# Altium PCB PCB_Layout_1.PcbDoc (part 2 of 3)
Units mm, origin at the board's own origin, x right, y up, seen from the top; angles counter-clockwise.
Board outline 151 x 101.6 mm, 6 copper layers (Top Layer, Int1 (GND), Int2 (PWR), Int3 (PWR), Int4 (GND), Bottom Layer), stack 1.831 mm thick; 257 components, 234 nets, 854 pads, 2543 vias.
Unrouted connection lines stored in the file: 1.
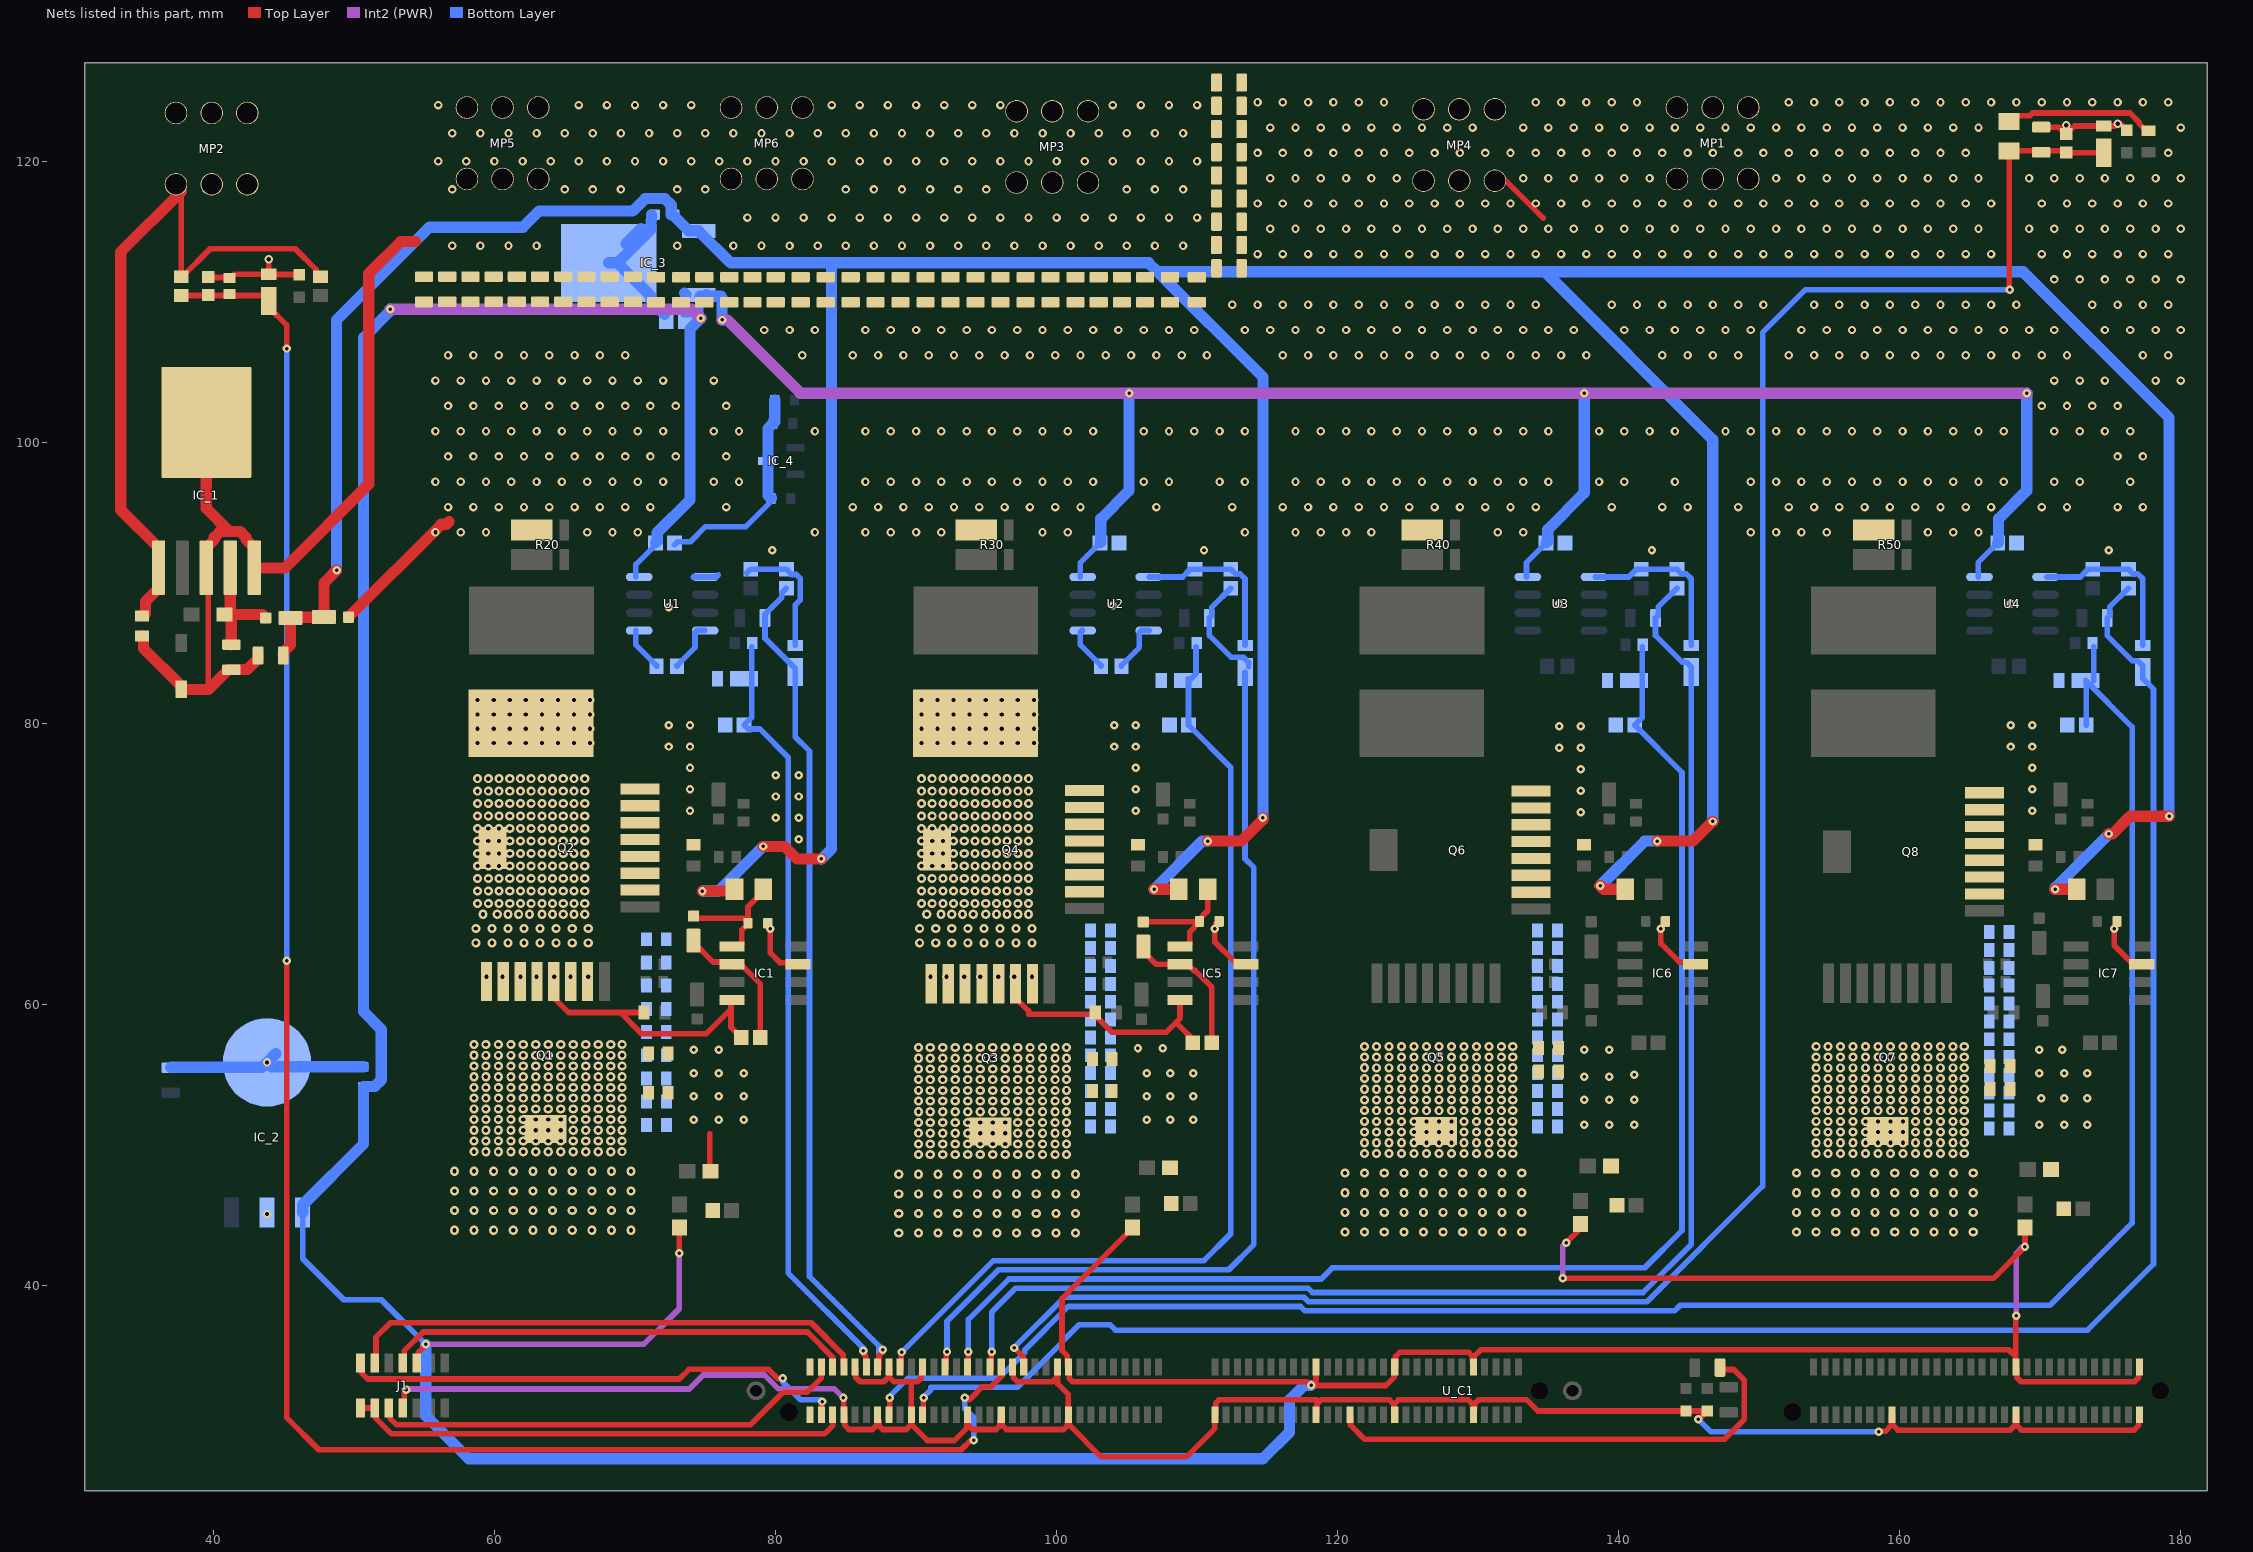
[diagram p6: the nets of this part, all layers, seen from the top]

## Via types
v1: diameter 0.65/0.65/0.65/0.65 (per signal layer), hole 0.3, Top Layer to Bottom Layer, 1060 vias
v2: diameter 0.6/0.6/0.6/0.6 (per signal layer), hole 0.3, Top Layer to Bottom Layer, 739 vias
v3: diameter 0.65, hole 0.3, Top Layer to Bottom Layer, 572 vias
v4: diameter 0.6/0.6/0.6/0.6 (per signal layer), hole 0.25, Top Layer to Bottom Layer, 142 vias
v5: diameter 0.6, hole 0.25, Top Layer to Bottom Layer, 23 vias
v6: diameter 0.6, hole 0.3, Top Layer to Bottom Layer, 7 vias

## Nets (pads, with @x,y where several pads share a name; then routed paths per layer and width w, separated by ;. In a path a pad name is that pad's centre, name@x,y a point inside that pad or via, vN(x,y) a via of type N, cw(c..) or ccw(c..) an arc to the next point about the centre after c; other vN are vias at no path point) (continued)
5V: C30.1 C40.1 C47.1 C53.1 C60.1 C67.1 IC_2.1 IC_3.3 J1.9 R10.1 R11.1 R12.1 R48.1 U1.4 U2.4 U3.4 U4.4 U_C1.48 U_C1.84 U_C1.98 U_C1.112 U_C1.158 U_C1.180 | length 515.6
  Top Layer w0.4: J1.9@54.467,34.494 54.572,34.599 54.572,35.231 55.118,35.777 v4(55.118,35.814) ; v4(73.152,42.291) R10.1@73.152,44.143 ; R11.1@105.41,44.143 105.41,44.106 100.384,39.08 100.384,35.383 100.501,35.266 100.767,35 100.767,34.308 U_C1.48@100.863,34.212 100.913,34.162 100.913,33.381 101.147,33.147 117.802,33.147 118.018,32.931 118.148,32.931 v5@118.175,32.958 ; v5@118.208,32.991 118.307,32.893 123.436,32.893 124.013,33.47 124.013,34.162 U_C1.98@124.063,34.212 124.113,34.262 124.113,34.954 124.425,35.266 129.301,35.266 129.567,35 129.567,34.658 129.663,34.562 U_C1.112@129.663,34.212 129.713,34.262 129.713,34.954 130.192,35.433 167.756,35.433 168.264,34.925 ; v5@118.307,33.09 118.463,33.246 U_C1.84@118.463,34.212 ; v4(136.017,40.513) 166.662,40.513 v4(168.91,42.761) R48.1@168.91,44.143 ; v4(136.271,43.053) 137.287,44.069 R12.1@137.287,44.397 ; v5(168.275,37.846) 168.275,37.719 168.264,37.708 168.264,34.925 ; U_C1.180@177.065,34.216 177.015,34.166 177.015,33.474 176.688,33.147 168.641,33.147 168.314,33.474 168.314,34.166 U_C1.158@168.264,34.216 168.264,34.925
  Int2 (PWR) w0.4: v4(55.118,35.814) 70.612,35.814 73.152,38.354 v4(73.152,42.291) ; v4(136.017,40.513) 136.017,42.799 v4(136.271,43.053) ; v5(168.275,37.846) 168.275,42.291 168.745,42.761 v4(168.91,42.761)
  Int2 (PWR) w0.8: v4(52.578,109.474) 74.041,109.474 v4(74.676,108.839) ; v4(76.2,108.712) 76.581,108.712 81.788,103.505 v4(105.156,103.505) v4(137.541,103.505) v4(169.037,103.505)
  Bottom Layer w0.4: IC_2.1@46.355,45.205 46.355,41.91 49.276,38.989 51.943,38.989 v4(55.118,35.814) ; U1.4@70.067,90.424 70.067,91.316 C40.1@71.461,92.71 ; C47.1@73.446,109.093 74.368,109.093 74.622,108.839 v4(74.676,108.839) IC_3.3@74.676,110.351 ; IC_3.3@73.515,110.623 IC_3.3@73.66,110.478 ; U2.4@101.69,90.424 101.69,91.443 C53.1@103.084,92.837 ; U3.4@133.44,90.424 133.44,91.443 C60.1@134.834,92.837 ; U4.4@165.571,90.424 165.571,91.443 C67.1@166.965,92.837
  Bottom Layer w0.8: IC_2.1@46.355,45.205 46.355,45.75 50.673,50.068 C30.1@50.673,54.164 51.474,54.164 51.943,54.633 51.943,58.229 50.673,59.499 50.673,107.442 52.578,109.347 v4(52.578,109.474) ; v4(55.118,35.814) 55.118,30.734 58.166,27.686 114.681,27.686 116.553,29.558 ; C40.1@71.461,92.837 71.586,92.962 71.586,93.587 73.914,95.915 73.914,108.077 v4(74.676,108.839) ; IC_3.3@73.515,110.623 IC_3.3@73.615,110.523 ; IC_3.3@74.631,110.396 76.112,110.396 IC_3.3@75.096,110.396 ; IC_3.3@75.096,110.523 IC_3.3@75.184,110.435 ; v4(76.2,108.712) 76.2,110.308 ; C53.1@103.084,92.837 103.15,92.903 103.15,94.562 105.156,96.568 v4(105.156,103.505) ; 116.577,29.559 116.577,31.868 117.602,32.893 v5(118.11,32.893) ; C60.1@134.834,92.837 134.959,92.962 134.959,93.811 137.541,96.393 v4(137.541,103.505) ; C67.1@166.965,92.837 167.031,92.903 167.031,94.562 169.037,96.568 v4(169.037,103.505)
12V: C15.1 C16.1 C17.1 C18.1 C19.1 C20.1 C21.1 C22.1 C23.1 C24.1 C25.1 C26.1 C82.1 C83.1 C84.1 C85.1 C86.1 C87.1 C88.1 C89.1 C90.1 C91.1 C92.1 C93.1 C108.1 C109.1 C110.1 C111.1 C112.1 C113.1 C114.1 C115.1 C116.1 C117.1 C118.1 C119.1 C138.1 C139.1 C140.1 C141.1 C142.1 C145.1 D1.2 MP1.1 MP4.1 R1.1 R5.1 R20.4 R30.4 R40.4 R50.4 | length 24.9
  Top Layer w0.4: MP4.1@131.572,118.745 131.846,118.745 134.62,115.971 ; R1.1@167.778,122.842 168.178,123.242 169.251,123.242 169.445,123.436 176.377,123.436 177.03,122.783 177.03,122.69 177.558,122.161 R5.1@177.684,122.161
  Top Layer w0.8: D1.2@49.614,87.566 56.218,94.17 56.578,94.17 56.769,94.361
  other v2: 55.8,93.6 57.6,93.6 59.4,93.6 66.6,93.6 68.4,93.6 70.2,93.6 82.8,93.6 86.4,93.6 88.2,93.6 90,93.6 91.8,93.6 99,93.6 100.8,93.6 113.4,93.6 117,93.6 118.8,93.6 120.6,93.6 122.4,93.6 131.4,93.6 133.2,93.6 149.4,93.6 151.2,93.6 153,93.6 154.8,93.6 162,93.6 163.8,93.6 165.6,93.6 56.7,95.4 58.5,95.4 60.3,95.4 62.1,95.4 63.9,95.4 65.7,95.4 67.5,95.4 69.3,95.4 71.1,95.4 76.5,95.4 85.5,95.4 87.3,95.4 89.1,95.4 90.9,95.4 92.7,95.4 94.5,95.4 96.3,95.4 98.1,95.4 99.9,95.4 101.7,95.4 107.1,95.4 112.5,95.4 116.1,95.4 117.9,95.4 119.7,95.4 121.5,95.4 123.3,95.4 125.1,95.4 126.9,95.4 128.7,95.4 130.5,95.4 132.3,95.4 134.1,95.4 139.5,95.4 143.1,95.4 144.9,95.4 148.5,95.4 152.1,95.4 153.9,95.4 155.7,95.4 157.5,95.4 159.3,95.4 161.1,95.4 162.9,95.4 164.7,95.4 166.5,95.4 170.1,95.4 171.9,95.4 175.5,95.4 177.3,95.4 55.8,97.2 57.6,97.2 59.4,97.2 61.2,97.2 63,97.2 64.8,97.2 66.6,97.2 68.4,97.2 70.2,97.2 72,97.2 75.6,97.2 77.4,97.2 86.4,97.2 88.2,97.2 90,97.2 91.8,97.2 93.6,97.2 95.4,97.2 97.2,97.2 99,97.2 100.8,97.2 102.6,97.2 106.2,97.2 108,97.2 111.6,97.2 113.4,97.2 117,97.2 118.8,97.2 120.6,97.2 122.4,97.2 124.2,97.2 126,97.2 127.8,97.2 129.6,97.2 131.4,97.2 133.2,97.2 135,97.2 138.6,97.2 140.4,97.2 144,97.2 149.4,97.2 151.2,97.2 153,97.2 154.8,97.2 156.6,97.2 158.4,97.2 160.2,97.2 162,97.2 163.8,97.2 165.6,97.2 167.4,97.2 171,97.2 172.8,97.2 176.4,97.2 56.7,99 58.5,99 60.3,99 62.1,99 63.9,99 65.7,99 67.5,99 69.3,99 71.1,99 72.9,99 76.5,99 175.5,99 177.3,99 55.8,100.8 57.6,100.8 59.4,100.8 61.2,100.8 63,100.8 64.8,100.8 66.6,100.8 68.4,100.8 70.2,100.8 72,100.8 75.6,100.8 77.4,100.8 82.8,100.8 86.4,100.8 88.2,100.8 90,100.8 91.8,100.8 93.6,100.8 95.4,100.8 97.2,100.8 99,100.8 100.8,100.8 102.6,100.8 106.2,100.8 108,100.8 109.8,100.8 111.6,100.8 113.4,100.8 117,100.8 118.8,100.8 120.6,100.8 122.4,100.8 124.2,100.8 126,100.8 127.8,100.8 129.6,100.8 131.4,100.8 133.2,100.8 135,100.8 138.6,100.8 140.4,100.8 142.2,100.8 144,100.8 147.6,100.8 149.4,100.8 151.2,100.8 153,100.8 154.8,100.8 156.6,100.8 158.4,100.8 160.2,100.8 162,100.8 163.8,100.8 165.6,100.8 167.4,100.8 171,100.8 172.8,100.8 174.6,100.8 176.4,100.8 56.7,102.6 58.5,102.6 60.3,102.6 62.1,102.6 63.9,102.6 65.7,102.6 67.5,102.6 69.3,102.6 71.1,102.6 72.9,102.6 76.5,102.6 170.1,102.6 171.9,102.6 173.7,102.6 175.5,102.6 55.8,104.4 57.6,104.4 59.4,104.4 61.2,104.4 63,104.4 64.8,104.4 66.6,104.4 68.4,104.4 70.2,104.4 72,104.4 75.6,104.4 171,104.4 172.8,104.4 174.6,104.4 178.2,104.4 180,104.4 56.7,106.2 58.5,106.2 60.3,106.2 62.1,106.2 63.9,106.2 65.7,106.2 67.5,106.2 69.3,106.2 81.9,106.2 85.5,106.2 87.3,106.2 89.1,106.2 90.9,106.2 92.7,106.2 94.5,106.2 96.3,106.2 98.1,106.2 99.9,106.2 101.7,106.2 103.5,106.2 105.3,106.2 107.1,106.2 108.9,106.2 110.7,106.2 116.1,106.2 117.9,106.2 119.7,106.2 121.5,106.2 123.3,106.2 125.1,106.2 126.9,106.2 128.7,106.2 130.5,106.2 132.3,106.2 134.1,106.2 135.9,106.2 137.7,106.2 143.1,106.2 144.9,106.2 146.7,106.2 148.5,106.2 152.1,106.2 153.9,106.2 155.7,106.2 157.5,106.2 159.3,106.2 161.1,106.2 162.9,106.2 164.7,106.2 166.5,106.2 168.3,106.2 170.1,106.2 171.9,106.2 177.3,106.2 179.1,106.2 79.2,108 81,108 82.8,108 86.4,108 88.2,108 90,108 91.8,108 93.6,108 95.4,108 97.2,108 99,108 100.8,108 102.6,108 104.4,108 106.2,108 108,108 109.8,108 113.4,108 115.2,108 117,108 118.8,108 120.6,108 122.4,108 124.2,108 126,108 127.8,108 129.6,108 131.4,108 133.2,108 135,108 136.8,108 140.4,108 142.2,108 144,108 145.8,108 147.6,108 149.4,108 153,108 154.8,108 156.6,108 158.4,108 160.2,108 162,108 163.8,108 165.6,108 167.4,108 169.2,108 171,108 174.6,108 176.4,108 178.2,108 180,108 112.5,109.8 114.3,109.8 116.1,109.8 117.9,109.8 119.7,109.8 121.5,109.8 123.3,109.8 125.1,109.8 126.9,109.8 128.7,109.8 130.5,109.8 132.3,109.8 134.1,109.8 139.5,109.8 141.3,109.8 143.1,109.8 144.9,109.8 146.7,109.8 148.5,109.8 150.3,109.8 153.9,109.8 155.7,109.8 157.5,109.8 159.3,109.8 161.1,109.8 162.9,109.8 164.7,109.8 166.5,109.8 168.3,109.8 173.7,109.8 175.5,109.8 177.3,109.8 179.1,109.8 171,111.6 172.8,111.6 174.6,111.6 176.4,111.6 178.2,111.6 180,111.6 114.3,113.4 116.1,113.4 117.9,113.4 119.7,113.4 121.5,113.4 123.3,113.4 125.1,113.4 126.9,113.4 128.7,113.4 130.5,113.4 132.3,113.4 134.1,113.4 135.9,113.4 137.7,113.4 139.5,113.4 141.3,113.4 143.1,113.4 144.9,113.4 146.7,113.4 148.5,113.4 150.3,113.4 152.1,113.4 153.9,113.4 155.7,113.4 157.5,113.4 159.3,113.4 161.1,113.4 162.9,113.4 164.7,113.4 166.5,113.4 170.1,113.4 171.9,113.4 173.7,113.4 175.5,113.4 177.3,113.4 179.1,113.4 115.2,115.2 117,115.2 118.8,115.2 120.6,115.2 122.4,115.2 124.2,115.2 126,115.2 127.8,115.2 129.6,115.2 131.4,115.2 133.2,115.2 135,115.2 136.8,115.2 138.6,115.2 140.4,115.2 142.2,115.2 144,115.2 145.8,115.2 147.6,115.2 149.4,115.2 151.2,115.2 153,115.2 154.8,115.2 156.6,115.2 158.4,115.2 160.2,115.2 162,115.2 163.8,115.2 165.6,115.2 169.2,115.2 171,115.2 172.8,115.2 174.6,115.2 176.4,115.2 178.2,115.2 180,115.2 114.3,117 116.1,117 117.9,117 119.7,117 121.5,117 123.3,117 125.1,117 126.9,117 128.7,117 130.5,117 132.3,117 134.1,117 135.9,117 137.7,117 139.5,117 141.3,117 143.1,117 144.9,117 146.7,117 148.5,117 150.3,117 152.1,117 153.9,117 155.7,117 157.5,117 159.3,117 161.1,117 162.9,117 164.7,117 166.5,117 170.1,117 171.9,117 173.7,117 175.5,117 177.3,117 179.1,117 115.2,118.8 117,118.8 118.8,118.8 120.6,118.8 122.4,118.8 124.2,118.8 133.2,118.8 135,118.8 136.8,118.8 138.6,118.8 140.4,118.8 142.2,118.8 151.2,118.8 153,118.8 154.8,118.8 156.6,118.8 158.4,118.8 160.2,118.8 162,118.8 163.8,118.8 165.6,118.8 169.2,118.8 171,118.8 172.8,118.8 174.6,118.8 176.4,118.8 178.2,118.8 180,118.8 114.3,120.6 116.1,120.6 117.9,120.6 119.7,120.6 121.5,120.6 123.3,120.6 125.1,120.6 126.9,120.6 128.7,120.6 130.5,120.6 132.3,120.6 134.1,120.6 135.9,120.6 137.7,120.6 139.5,120.6 141.3,120.6 143.1,120.6 144.9,120.6 146.7,120.6 148.5,120.6 150.3,120.6 152.1,120.6 153.9,120.6 155.7,120.6 157.5,120.6 159.3,120.6 161.1,120.6 162.9,120.6 164.7,120.6 179.1,120.6 115.2,122.4 117,122.4 118.8,122.4 120.6,122.4 122.4,122.4 124.2,122.4 126,122.4 127.8,122.4 129.6,122.4 133.2,122.4 135,122.4 136.8,122.4 138.6,122.4 140.4,122.4 142.2,122.4 144,122.4 145.8,122.4 147.6,122.4 149.4,122.4 151.2,122.4 153,122.4 154.8,122.4 156.6,122.4 158.4,122.4 160.2,122.4 162,122.4 163.8,122.4 165.6,122.4 180,122.4 114.3,124.2 116.1,124.2 117.9,124.2 119.7,124.2 121.5,124.2 123.3,124.2 134.1,124.2 135.9,124.2 137.7,124.2 139.5,124.2 141.3,124.2 152.1,124.2 153.9,124.2 155.7,124.2 157.5,124.2 159.3,124.2 161.1,124.2 162.9,124.2 164.7,124.2 166.5,124.2 168.3,124.2 170.1,124.2 171.9,124.2 173.7,124.2 175.5,124.2 177.3,124.2 179.1,124.2
12V_D: C34.1 C43.1 D1.1 D2.1 IC_3.1 R19.1 R29.1 R39.1 R49.1 | length 372.3
  Top Layer w0.8: C43.1@44.969,84.836 44.989,84.856 44.989,85.086 44.992,85.086 45.481,85.575 D2.1@45.481,87.503 ; D2.1@45.731,87.566 D1.1@47.864,87.566 47.864,90 v4(48.768,90.904) ; v4(74.803,68.072) 76.953,68.072 R19.1@77.08,68.199 ; v4(79.121,71.247) 80.645,71.247 81.534,70.358 v4(83.269,70.358) ; v4(106.934,68.199) R29.1@108.703,68.199 ; v4(110.744,71.628) 113.157,71.628 114.681,73.152 v4(114.681,73.279) ; v4(138.684,68.453) 138.938,68.199 R39.1@140.453,68.199 ; v4(142.748,71.628) 145.288,71.628 v4(146.685,73.025) ; v4(171.069,68.199) R49.1@172.584,68.199 ; v4(174.879,72.136) 175.133,72.136 176.403,73.406 v4(179.162,73.406)
  Bottom Layer w0.8: v4(48.768,90.904) 48.768,108.712 55.372,115.316 62.04,115.316 63.183,116.459 69.849,116.459 70.738,117.348 72.113,117.348 72.582,116.879 72.582,116.205 72.682,116.205 73.831,115.056 IC_3.1@74.531,115.056 76.811,112.776 84.074,112.776 ; v4(74.803,68.072) 75.946,68.072 v4(79.121,71.247) ; v4(83.269,70.358) 83.985,71.074 83.985,112.687 84.074,112.776 ; v4(106.934,68.199) 110.363,71.628 v4(110.744,71.628) ; v4(114.681,73.279) 114.681,104.648 107.188,112.141 ; v4(138.684,68.453) 141.859,71.628 v4(142.748,71.628) ; v4(146.685,73.025) 146.685,100.203 134.747,112.141 ; v4(171.069,68.199) 171.069,68.326 v4(174.879,72.136) ; v4(179.162,73.406) 179.162,101.762 168.783,112.141 134.747,112.141 ; 84.074,112.776 106.553,112.776 107.188,112.141 ; 107.188,112.141 134.747,112.141
48V: C1.1 C2.1 C3.1 C4.1 C5.1 C6.1 C9.1 C10.1 C11.1 C12.1 C13.1 C14.1 C44.1 C69.1 C70.1 C71.1 C72.1 C73.1 C74.1 C75.1 C76.1 C77.1 C78.1 C79.1 C80.1 C81.1 C94.1 C95.1 C96.1 C97.1 C98.1 C99.1 C100.1 C101.1 C102.1 C103.1 C104.1 C105.1 C106.1 C107.1 C120.1 C121.1 C122.1 C123.1 C124.1 C125.1 C126.1 C127.1 C128.1 C129.1 C130.1 C131.1 C132.1 C133.1 IC_1.1 MP2.1 Q1.9 Q3.9 Q5.9 Q7.9 R3.2 R6.1 | length 51.4
  Top Layer w0.4: MP2.1@37.719,117.856 R3.2@37.719,111.8 37.794,111.8 39.778,113.784 45.828,113.784 47.3,112.312 47.3,112.05 47.55,111.8 R6.1@47.625,111.8
  Top Layer w0.8: C44.1@34.925,87.681 35.075,87.681 35.175,87.781 35.175,88.687 36.097,89.609 36.097,92.509 33.401,95.205 33.401,113.538 MP2.1@37.719,117.856
  other v1: 88.773,43.735 90.17,43.735 91.567,43.735 92.964,43.735 94.361,43.735 95.758,43.735 97.155,43.735 98.552,43.735 99.949,43.735 101.346,43.735 120.523,43.815 121.92,43.815 123.317,43.815 124.714,43.815 126.111,43.815 127.508,43.815 128.905,43.815 130.302,43.815 131.699,43.815 133.096,43.815 152.654,43.815 154.051,43.815 155.448,43.815 156.845,43.815 158.242,43.815 159.639,43.815 161.036,43.815 162.433,43.815 163.83,43.815 165.227,43.815 57.15,43.942 58.547,43.942 59.944,43.942 61.341,43.942 62.738,43.942 64.135,43.942 65.532,43.942 66.929,43.942 68.326,43.942 69.723,43.942 88.773,45.132 90.17,45.132 91.567,45.132 92.964,45.132 94.361,45.132 95.758,45.132 97.155,45.132 98.552,45.132 99.949,45.132 101.346,45.132 120.523,45.212 121.92,45.212 123.317,45.212 124.714,45.212 126.111,45.212 127.508,45.212 128.905,45.212 130.302,45.212 131.699,45.212 133.096,45.212 152.654,45.212 154.051,45.212 155.448,45.212 156.845,45.212 158.242,45.212 159.639,45.212 161.036,45.212 162.433,45.212 163.83,45.212 165.227,45.212 57.15,45.339 58.547,45.339 59.944,45.339 61.341,45.339 62.738,45.339 64.135,45.339 65.532,45.339 66.929,45.339 68.326,45.339 69.723,45.339 88.773,46.529 90.17,46.529 91.567,46.529 92.964,46.529 94.361,46.529 95.758,46.529 97.155,46.529 98.552,46.529 99.949,46.529 101.346,46.529 120.523,46.609 121.92,46.609 123.317,46.609 124.714,46.609 126.111,46.609 127.508,46.609 128.905,46.609 130.302,46.609 131.699,46.609 133.096,46.609 152.654,46.609 154.051,46.609 155.448,46.609 156.845,46.609 158.242,46.609 159.639,46.609 161.036,46.609 162.433,46.609 163.83,46.609 165.227,46.609 57.15,46.736 58.547,46.736 59.944,46.736 61.341,46.736 62.738,46.736 64.135,46.736 65.532,46.736 66.929,46.736 68.326,46.736 69.723,46.736 88.773,47.926 90.17,47.926 91.567,47.926 92.964,47.926 94.361,47.926 95.758,47.926 97.155,47.926 98.552,47.926 99.949,47.926 101.346,47.926 120.523,48.006 121.92,48.006 123.317,48.006 124.714,48.006 126.111,48.006 127.508,48.006 128.905,48.006 130.302,48.006 131.699,48.006 133.096,48.006 152.654,48.006 154.051,48.006 155.448,48.006 156.845,48.006 158.242,48.006 159.639,48.006 161.036,48.006 162.433,48.006 163.83,48.006 165.227,48.006 57.15,48.133 58.547,48.133 59.944,48.133 61.341,48.133 62.738,48.133 64.135,48.133 65.532,48.133 66.929,48.133 68.326,48.133 69.723,48.133
  other v3: 90.17,49.323 91.009,49.32 91.898,49.32 92.787,49.32 93.676,49.32 94.565,49.32 95.454,49.32 96.343,49.32 97.232,49.32 98.121,49.32 99.01,49.32 99.899,49.32 100.711,49.323 121.92,49.403 122.759,49.4 123.648,49.4 124.537,49.4 125.426,49.4 126.315,49.4 127.204,49.4 128.093,49.4 128.982,49.4 129.871,49.4 130.76,49.4 131.649,49.4 132.461,49.403 154.051,49.403 154.89,49.4 155.779,49.4 156.668,49.4 157.557,49.4 158.446,49.4 159.335,49.4 160.224,49.4 161.113,49.4 162.002,49.4 162.891,49.4 163.78,49.4 164.592,49.403 58.547,49.53 59.386,49.527 60.275,49.527 61.164,49.527 62.053,49.527 62.942,49.527 63.831,49.527 64.72,49.527 65.609,49.527 66.498,49.527 67.387,49.527 68.276,49.527 69.088,49.53 90.17,50.085 91.009,50.082 91.898,50.082 92.787,50.082 93.676,50.082 94.565,50.082 95.454,50.082 96.343,50.082 97.232,50.082 98.121,50.082 99.01,50.082 99.899,50.082 100.711,50.085 121.92,50.165 122.759,50.162 123.648,50.162 124.537,50.162 125.426,50.162 126.315,50.162 127.204,50.162 128.093,50.162 128.982,50.162 129.871,50.162 130.76,50.162 131.649,50.162 132.461,50.165 154.051,50.165 154.89,50.162 155.779,50.162 156.668,50.162 157.557,50.162 158.446,50.162 159.335,50.162 160.224,50.162 161.113,50.162 162.002,50.162 162.891,50.162 163.78,50.162 164.592,50.165 58.547,50.292 59.386,50.289 60.275,50.289 61.164,50.289 62.053,50.289 62.942,50.289 63.831,50.289 64.72,50.289 65.609,50.289 66.498,50.289 67.387,50.289 68.276,50.289 69.088,50.292 90.17,50.847 91.009,50.844 91.898,50.844 92.787,50.844 93.676,50.844 94.565,50.844 95.454,50.844 96.343,50.844 97.232,50.844 98.121,50.844 99.01,50.844 99.899,50.844 100.711,50.847 121.92,50.927 122.759,50.924 123.648,50.924 124.537,50.924 125.426,50.924 126.315,50.924 127.204,50.924 128.093,50.924 128.982,50.924 129.871,50.924 130.76,50.924 131.649,50.924 132.461,50.927 154.051,50.927 154.89,50.924 155.779,50.924 156.668,50.924 157.557,50.924 158.446,50.924 159.335,50.924 160.224,50.924 161.113,50.924 162.002,50.924 162.891,50.924 163.78,50.924 164.592,50.927 58.547,51.054 59.386,51.051 60.275,51.051 61.164,51.051 62.053,51.051 62.942,51.051 63.831,51.051 64.72,51.051 65.609,51.051 66.498,51.051 67.387,51.051 68.276,51.051 69.088,51.054 90.17,51.609 91.009,51.606 91.898,51.606 92.787,51.606 93.676,51.606 94.565,51.606 95.454,51.606 96.343,51.606 97.232,51.606 98.121,51.606 99.01,51.606 99.899,51.606 100.711,51.609 121.92,51.689 122.759,51.686 123.648,51.686 124.537,51.686 125.426,51.686 126.315,51.686 127.204,51.686 128.093,51.686 128.982,51.686 129.871,51.686 130.76,51.686 131.649,51.686 132.461,51.689 154.051,51.689 154.89,51.686 155.779,51.686 156.668,51.686 157.557,51.686 158.446,51.686 159.335,51.686 160.224,51.686 161.113,51.686 162.002,51.686 162.891,51.686 163.78,51.686 164.592,51.689 58.547,51.816 59.386,51.813 60.275,51.813 61.164,51.813 62.053,51.813 62.942,51.813 63.831,51.813 64.72,51.813 65.609,51.813 66.498,51.813 67.387,51.813 68.276,51.813 69.088,51.816 90.17,52.371 91.009,52.368 91.898,52.368 92.787,52.368 93.676,52.368 94.565,52.368 95.454,52.368 96.343,52.368 97.232,52.368 98.121,52.368 99.01,52.368 99.899,52.368 100.711,52.371 121.92,52.451 122.759,52.448 123.648,52.448 124.537,52.448 125.426,52.448 126.315,52.448 127.204,52.448 128.093,52.448 128.982,52.448 129.871,52.448 130.76,52.448 131.649,52.448 132.461,52.451 154.051,52.451 154.89,52.448 155.779,52.448 156.668,52.448 157.557,52.448 158.446,52.448 159.335,52.448 160.224,52.448 161.113,52.448 162.002,52.448 162.891,52.448 163.78,52.448 164.592,52.451 58.547,52.578 59.386,52.575 60.275,52.575 61.164,52.575 62.053,52.575 62.942,52.575 63.831,52.575 64.72,52.575 65.609,52.575 66.498,52.575 67.387,52.575 68.276,52.575 69.088,52.578 90.17,53.133 91.009,53.13 91.898,53.13 92.787,53.13 93.676,53.13 94.565,53.13 95.454,53.13 96.343,53.13 97.232,53.13 98.121,53.13 99.01,53.13 99.899,53.13 100.711,53.133 121.92,53.213 122.759,53.21 123.648,53.21 124.537,53.21 125.426,53.21 126.315,53.21 127.204,53.21 128.093,53.21 128.982,53.21 129.871,53.21 130.76,53.21 131.649,53.21 132.461,53.213 154.051,53.213 154.89,53.21 155.779,53.21 156.668,53.21 157.557,53.21 158.446,53.21 159.335,53.21 160.224,53.21 161.113,53.21 162.002,53.21 162.891,53.21 163.78,53.21 164.592,53.213 58.547,53.34 59.386,53.337 60.275,53.337 61.164,53.337 62.053,53.337 62.942,53.337 63.831,53.337 64.72,53.337 65.609,53.337 66.498,53.337 67.387,53.337 68.276,53.337 69.088,53.34 90.17,53.895 91.009,53.892 91.898,53.892 92.787,53.892 93.676,53.892 94.565,53.892 95.454,53.892 96.343,53.892 97.232,53.892 98.121,53.892 99.01,53.892 99.899,53.892 100.711,53.895 121.92,53.975 122.759,53.972 123.648,53.972 124.537,53.972 125.426,53.972 126.315,53.972 127.204,53.972 128.093,53.972 128.982,53.972 129.871,53.972 130.76,53.972 131.649,53.972 132.461,53.975 154.051,53.975 154.89,53.972 155.779,53.972 156.668,53.972 157.557,53.972 158.446,53.972 159.335,53.972 160.224,53.972 161.113,53.972 162.002,53.972 162.891,53.972 163.78,53.972 164.592,53.975 58.547,54.102 59.386,54.099 60.275,54.099 61.164,54.099 62.053,54.099 62.942,54.099 63.831,54.099 64.72,54.099 65.609,54.099 66.498,54.099 67.387,54.099 68.276,54.099 69.088,54.102 90.17,54.657 91.009,54.654 91.898,54.654 92.787,54.654 93.676,54.654 94.565,54.654 95.454,54.654 96.343,54.654 97.232,54.654 98.121,54.654 99.01,54.654 99.899,54.654 100.711,54.657 121.92,54.737 122.759,54.734 123.648,54.734 124.537,54.734 125.426,54.734 126.315,54.734 127.204,54.734 128.093,54.734 128.982,54.734 129.871,54.734 130.76,54.734 131.649,54.734 132.461,54.737 154.051,54.737 154.89,54.734 155.779,54.734 156.668,54.734 157.557,54.734 158.446,54.734 159.335,54.734 160.224,54.734 161.113,54.734 162.002,54.734 162.891,54.734 163.78,54.734 164.592,54.737 58.547,54.864 59.386,54.861 60.275,54.861 61.164,54.861 62.053,54.861 62.942,54.861 63.831,54.861 64.72,54.861 65.609,54.861 66.498,54.861 67.387,54.861 68.276,54.861 69.088,54.864 90.17,55.419 91.009,55.416 91.898,55.416 92.787,55.416 93.676,55.416 94.565,55.416 95.454,55.416 96.343,55.416 97.232,55.416 98.121,55.416 99.01,55.416 99.899,55.416 100.711,55.419 121.92,55.499 122.759,55.496 123.648,55.496 124.537,55.496 125.426,55.496 126.315,55.496 127.204,55.496 128.093,55.496 128.982,55.496 129.871,55.496 130.76,55.496 131.649,55.496 132.461,55.499 154.051,55.499 154.89,55.496 155.779,55.496 156.668,55.496 157.557,55.496 158.446,55.496 159.335,55.496 160.224,55.496 161.113,55.496 162.002,55.496 162.891,55.496 163.78,55.496 164.592,55.499 58.547,55.626 59.386,55.623 60.275,55.623 61.164,55.623 62.053,55.623 62.942,55.623 63.831,55.623 64.72,55.623 65.609,55.623 66.498,55.623 67.387,55.623 68.276,55.623 69.088,55.626 90.17,56.181 91.009,56.178 91.898,56.178 92.787,56.178 93.676,56.178 94.565,56.178 95.454,56.178 96.343,56.178 97.232,56.178 98.121,56.178 99.01,56.178 99.899,56.178 100.711,56.181 121.92,56.261 122.759,56.258 123.648,56.258 124.537,56.258 125.426,56.258 126.315,56.258 127.204,56.258 128.093,56.258 128.982,56.258 129.871,56.258 130.76,56.258 131.649,56.258 132.461,56.261 154.051,56.261 154.89,56.258 155.779,56.258 156.668,56.258 157.557,56.258 158.446,56.258 159.335,56.258 160.224,56.258 161.113,56.258 162.002,56.258 162.891,56.258 163.78,56.258 164.592,56.261 58.547,56.388 59.386,56.385 60.275,56.385 61.164,56.385 62.053,56.385 62.942,56.385 63.831,56.385 64.72,56.385 65.609,56.385 66.498,56.385 67.387,56.385 68.276,56.385 69.088,56.388 90.17,56.943 91.009,56.94 91.898,56.94 92.787,56.94 93.676,56.94 94.565,56.94 95.454,56.94 96.343,56.94 97.232,56.94 98.121,56.94 99.01,56.94 99.899,56.94 100.711,56.943 121.92,57.023 122.759,57.02 123.648,57.02 124.537,57.02 125.426,57.02 126.315,57.02 127.204,57.02 128.093,57.02 128.982,57.02 129.871,57.02 130.76,57.02 131.649,57.02 132.461,57.023 154.051,57.023 154.89,57.02 155.779,57.02 156.668,57.02 157.557,57.02 158.446,57.02 159.335,57.02 160.224,57.02 161.113,57.02 162.002,57.02 162.891,57.02 163.78,57.02 164.592,57.023 58.547,57.15 59.386,57.147 60.275,57.147 61.164,57.147 62.053,57.147 62.942,57.147 63.831,57.147 64.72,57.147 65.609,57.147 66.498,57.147 67.387,57.147 68.276,57.147 69.088,57.15